# Altium PCB CU-ON-OFF-V2-08-11-18.PcbDoc (part 6 of 14) (continued)
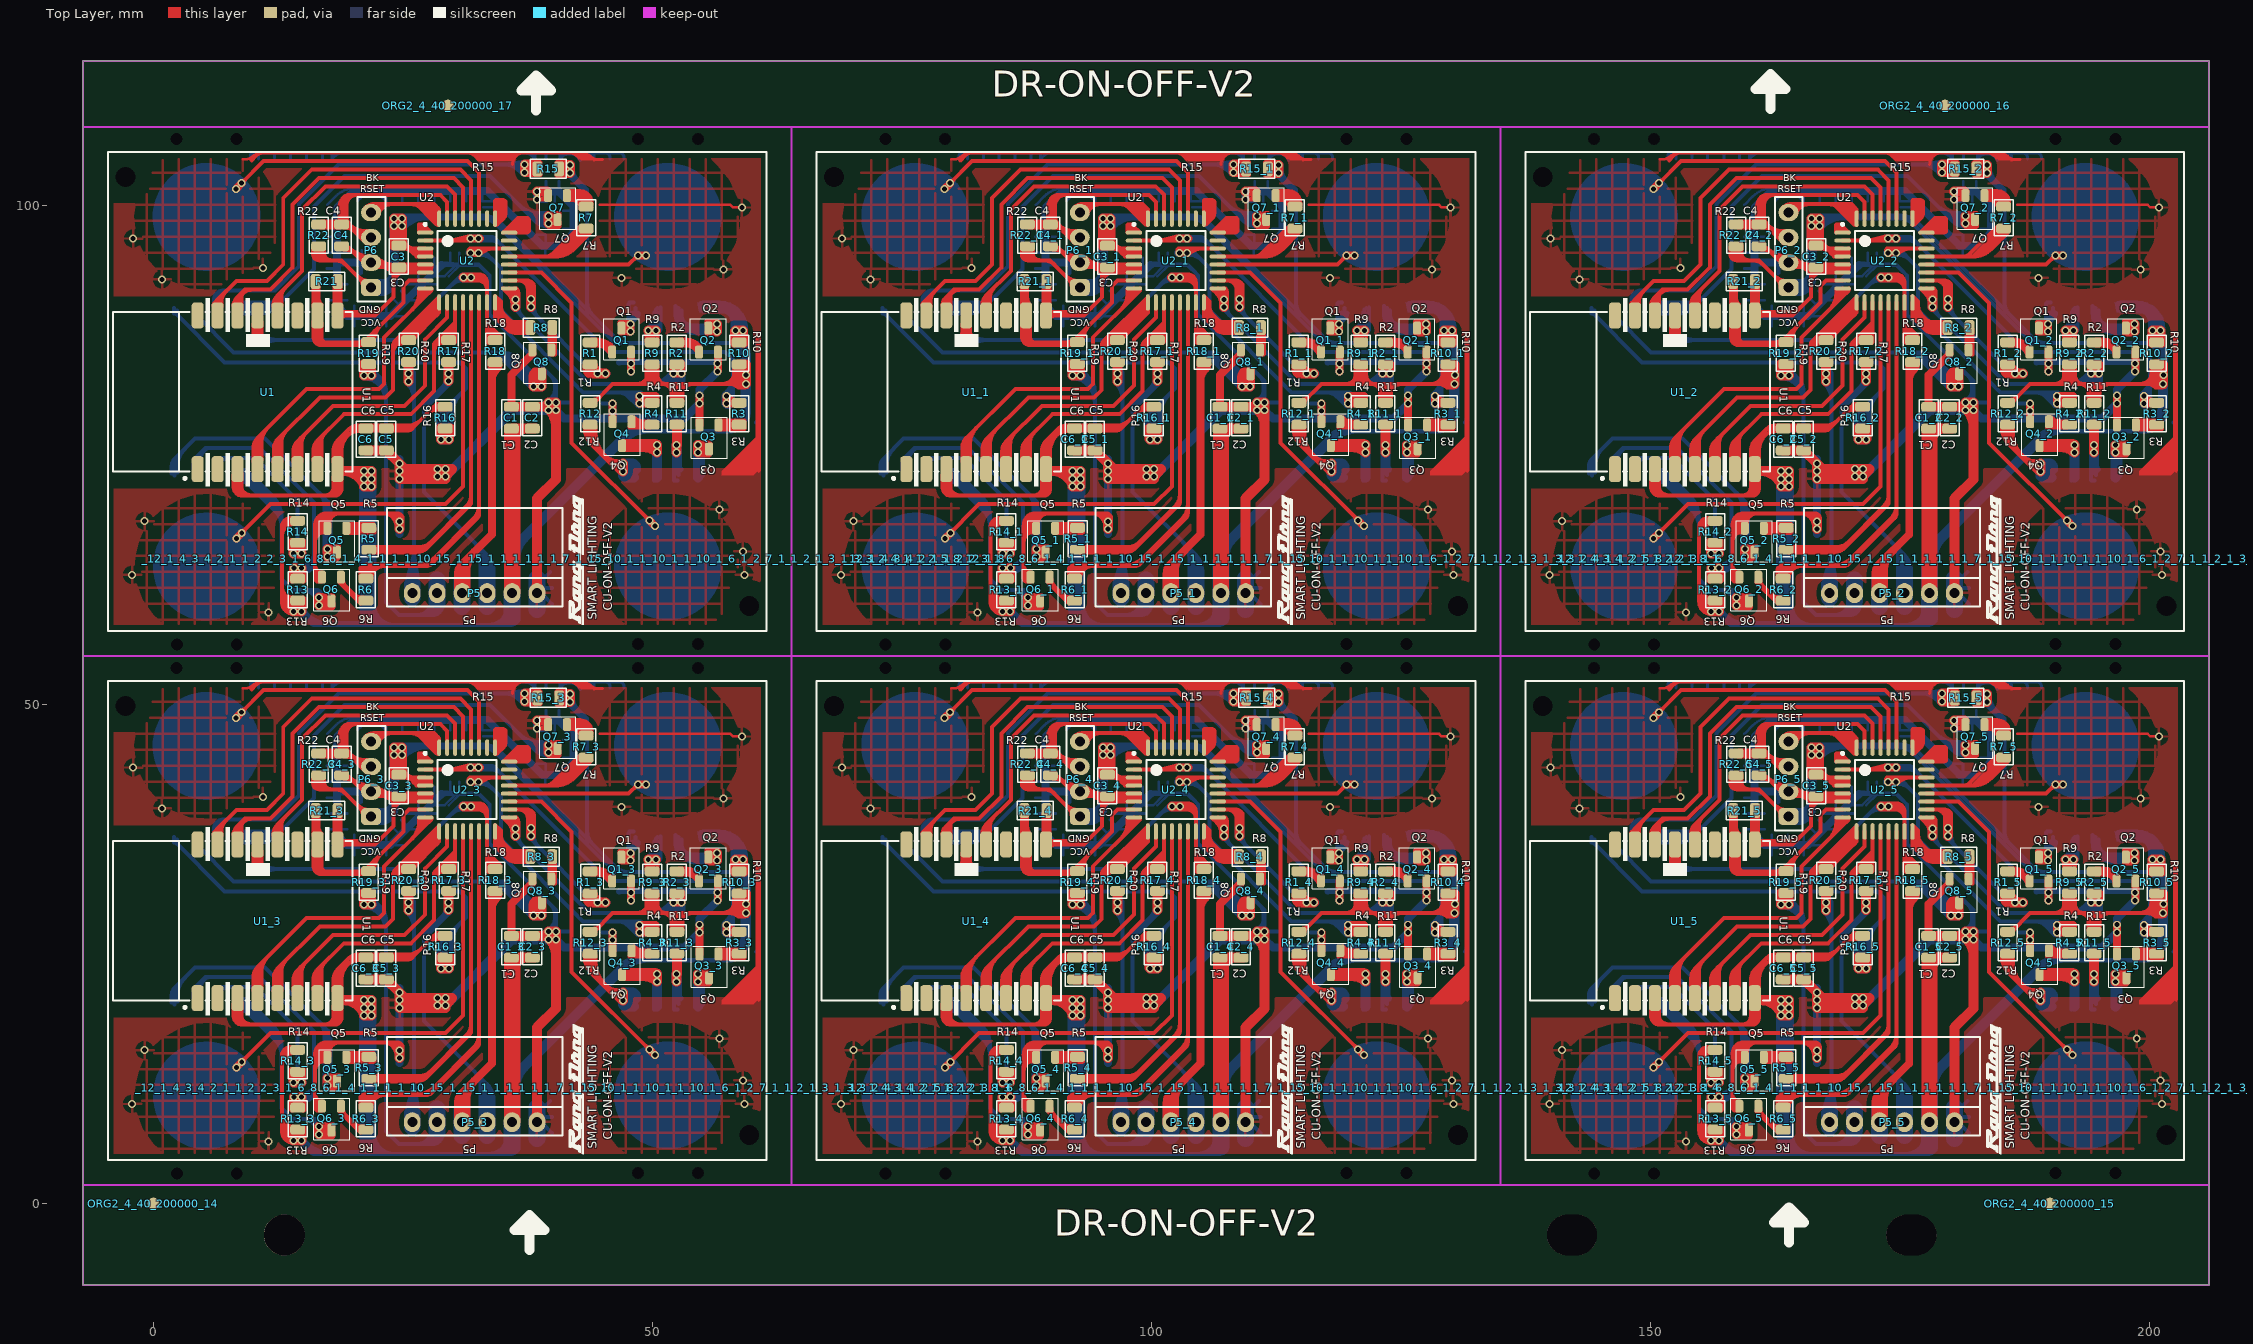
[diagram p0: Top Layer view]
## Nets (pads, with @x,y where several pads share a name; then routed paths per layer and width w, separated by ;. In a path a pad name is that pad's centre, name@x,y a point inside that pad or via, vN(x,y) a via of type N, cw(c..) or ccw(c..) an arc to the next point about the centre after c; other vN are vias at no path point) (continued)
157.116,65.206 cw(c157.066,65.206) v1@157.066,65.156 ; 156.991,7.707 cw(c156.991,7.557) 157.141,7.557 157.141,6.407 cw(c157.066,6.407) v1@157.066,6.332 ; 156.991,9.307 ccw(c156.991,9.457) 157.141,9.457 v1@157.141,10.682 ; 156.991,60.706 cw(c156.991,60.556) 157.141,60.556 157.141,59.406 cw(c157.066,59.406) v1@157.066,59.331 ; 156.991,62.306 ccw(c156.991,62.456) 157.141,62.456 v1@157.141,63.681 ; 158.016,42.832 158.016,42.069 ccw(c158.528,42.069) 158.166,41.707 ccw(c158.649,42.19) 158.649,41.507 159.016,41.507 ; 158.016,95.831 158.016,95.068 ccw(c158.528,95.068) 158.166,94.706 ccw(c158.649,95.189) 158.649,94.506 159.016,94.506 ; 158.041,34.332 158.041,33.836 ccw(c158.894,33.836) 158.291,33.232 ccw(c158.774,33.715) 158.774,33.032 158.891,33.032 ; 158.041,35.357 158.041,34.2 ccw(c158.809,34.2) 158.266,33.657 ; 158.041,36.882 158.041,38.839 cw(c158.809,38.839) 158.266,39.382 ; 158.041,87.331 158.041,86.835 ccw(c158.894,86.835) 158.291,86.231 ccw(c158.774,86.714) 158.774,86.031 158.891,86.031 ; 158.041,88.356 158.041,87.199 ccw(c158.809,87.199) 158.266,86.656 ; 158.041,89.881 158.041,91.838 cw(c158.809,91.838) 158.266,92.381 ; 158.054,38.92 cw(c157.542,38.408) 158.266,38.408 cw(c158.99,38.408) 158.478,38.92 ; 158.054,91.919 cw(c157.542,91.407) 158.266,91.407 cw(c158.99,91.407) 158.478,91.919 ; 158.066,42.532 158.591,42.532 158.591,41.932 159.016,41.507 ; 158.066,95.531 158.591,95.531 158.591,94.931 159.016,94.506 ; 158.158,21.565 ccw(c157.475,22.248) 158.441,22.248 ccw(c159.407,22.248) 158.724,21.565 ; 158.158,74.564 ccw(c157.475,75.247) 158.441,75.247 ccw(c159.407,75.247) 158.724,74.564 ; 158.191,11.182 158.191,10.975 ccw(c158.959,10.975) 158.416,10.432 158.418,10.43 ccw(c159.016,11.027) 159.016,10.182 ; 158.191,64.181 158.191,63.974 ccw(c158.959,63.974) 158.416,63.431 158.418,63.428 ccw(c159.016,64.026) 159.016,63.181 ; 158.266,33.894 cw(c159.829,33.894) 158.724,34.999 ; 158.266,38.07 ccw(c159.829,38.07) 158.724,36.965 ; 158.266,38.732 158.266,33.657 ; 158.266,86.893 cw(c159.829,86.893) 158.724,87.998 ; 158.266,91.069 ccw(c159.829,91.069) 158.724,89.964 ; 158.266,91.731 158.266,86.656 ; v1@158.456,7.041 cw(c159.068,6.608) 159.068,7.357 ; v1@158.456,60.04 cw(c159.068,59.607) 159.068,60.356 ; 158.466,10.182 158.466,9.342 cw(c158.451,9.342) 158.462,9.332 ; 158.466,45.107 160.866,45.107 160.866,47.282 161.636,48.052 ; 158.466,63.181 158.466,62.341 cw(c158.451,62.341) 158.462,62.331 ; 158.466,98.106 160.866,98.106 160.866,100.281 161.636,101.051 ; v1@158.471,7.566 ccw(c158.941,7.99) 158.941,7.357 ; v1@158.471,60.565 ccw(c158.941,60.989) 158.941,60.356 ; 158.541,39.357 158.541,37.781 ccw(c159.565,37.781) 158.841,37.057 ; 158.541,92.356 158.541,90.78 ccw(c159.565,90.78) 158.841,90.056 ; 158.566,34.807 158.566,33.946 ccw(c158.781,33.946) 158.629,33.794 cw(c158.117,33.282) 158.841,33.282 ; 158.566,87.806 158.566,86.945 ccw(c158.781,86.945) 158.629,86.793 cw(c158.117,86.281) 158.841,86.281 ; 158.591,42.122 ccw(c157.781,42.122) 158.354,42.695 158.354,41.894 cw(c158.329,41.894) 158.346,41.876 ccw(c158.816,42.346) 158.816,41.682 ; 158.591,42.243 cw(c159.23,42.243) 158.778,42.695 ccw(c160.046,42.695) 159.149,41.799 159.178,41.77 cw(c158.964,41.557) 159.266,41.557 ; 158.591,95.121 ccw(c157.781,95.121) 158.354,95.694 158.354,94.893 cw(c158.329,94.893) 158.346,94.875 ccw(c158.816,95.345) 158.816,94.681 ; 158.591,95.242 cw(c159.23,95.242) 158.778,95.694 ccw(c160.046,95.694) 159.149,94.798 159.178,94.769 cw(c158.964,94.556) 159.266,94.556 ; 158.603,14.419 cw(c159.187,13.835) 159.522,14.59 ; 158.603,67.418 cw(c159.187,66.834) 159.522,67.589 ; v1@158.616,7.907 ccw(c158.616,7.957) 158.666,7.957 cw(c158.691,7.957) 158.691,7.982 159.891,7.982 cw(c159.891,7.832) 160.041,7.832 ; v1@158.616,60.906 ccw(c158.616,60.956) 158.666,60.956 cw(c158.691,60.956) 158.691,60.981 159.891,60.981 cw(c159.891,60.831) 160.041,60.831 ; v1@158.619,7.5 cw(c158.619,7.017) 158.961,7.359 cw(c159.302,7.7) v1@158.819,7.7 ; v1(158.619,7.7) 158.962,7.357 159.841,7.357 ; v1@158.619,60.499 cw(c158.619,60.016) 158.961,60.358 cw(c159.302,60.699) v1@158.819,60.699 ; v1(158.619,60.699) 158.962,60.356 159.841,60.356 ; v1@158.641,6.632 159.866,6.632 ccw(c159.866,6.807) 160.041,6.807 160.041,7.057 ccw(c159.966,7.057) 159.966,7.132 ; v1@158.641,59.631 159.866,59.631 ccw(c159.866,59.806) 160.041,59.806 160.041,60.056 ccw(c159.966,60.056) 159.966,60.131 ; v1@158.651,7.171 ccw(c158.389,7.561) v1@158.791,7.803 ; v1@158.651,60.17 ccw(c158.389,60.56) v1@158.791,60.802 ; 158.691,20.582 158.441,20.832 158.441,23.432 ; 158.691,73.581 158.441,73.831 158.441,76.431 ; 158.741,44.807 160.71,44.807 ; 158.741,97.806 160.71,97.806 ; v1@158.768,7.834 ccw(c159.841,8.802) 159.841,7.357 ; v1@158.768,60.833 ccw(c159.841,61.801) 159.841,60.356 ; v1@158.783,6.81 cw(c159.841,6.061) 159.841,7.357 ; v1@158.783,59.809 cw(c159.841,59.06) 159.841,60.356 ; 158.841,21.232 158.841,23.372 cw(c159.951,23.372) 159.166,24.157 ; 158.841,35.207 158.841,33.774 ccw(c159.366,33.774) 158.995,33.403 ; 158.841,74.231 158.841,76.371 cw(c159.951,76.371) 159.166,77.156 ; 158.841,88.206 158.841,86.773 ccw(c159.366,86.773) 158.995,86.402 ; 158.866,9.332 158.462,9.332 ; 158.866,62.331 158.462,62.331 ; 158.874,10.206 cw(c158.803,11.069) 158.191,10.457 ; 158.874,63.205 cw(c158.803,64.068) 158.191,63.456 ; 158.891,9.757 158.191,10.457 ; 158.891,23.882 ccw(c160.943,21.83) 158.041,21.83 158.041,21.457 158.041,22.466 cw(c159.407,22.466) 158.441,23.432 ; 158.891,62.756 158.191,63.456 ; 158.891,76.881 ccw(c160.943,74.829) 158.041,74.829 158.041,74.456 158.041,75.465 cw(c159.407,75.465) 158.441,76.431 ; v1@158.941,7.757 159.841,7.757 ; v1@158.941,60.756 159.841,60.756 ; 159.028,44.895 cw(c159.54,44.383) 159.54,45.107 cw(c159.54,45.831) 159.028,45.319 ; 159.028,97.894 cw(c159.54,97.382) 159.54,98.106 cw(c159.54,98.83) 159.028,98.318 ; 159.116,43.007 159.116,42.155 ccw(c159.713,42.155) 159.291,41.732 ccw(c159.834,42.275) 159.834,41.507 ; 159.116,96.006 159.116,95.153 ccw(c159.713,95.153) 159.291,94.731 ccw(c159.834,95.274) 159.834,94.506 ; 159.191,17.932 ccw(c159.191,18.837) 159.831,18.197 ccw(c159.324,18.704) 160.041,18.704 160.041,19.807 ; 159.191,70.931 ccw(c159.191,71.836) 159.831,71.196 ccw(c159.324,71.703) 160.041,71.703 160.041,72.806 ; 159.316,6.632 159.316,6.832 cw(c159.699,6.832) 159.699,7.216 ccw(c159.358,6.874) 159.358,7.357 ccw(c159.358,7.84) 159.699,7.498 ; 159.316,59.631 159.316,59.831 cw(c159.699,59.831) 159.699,60.215 ccw(c159.358,59.873) 159.358,60.356 ccw(c159.358,60.839) 159.699,60.497 ; v1@159.466,11.557 159.466,11.532 160.266,11.532 ccw(c160.266,11.857) 160.591,11.857 ; v1@159.466,12.907 160.591,12.907 160.591,12.507 ; 159.466,15.107 158.913,15.107 ; v1@159.466,64.556 159.466,64.531 160.266,64.531 ccw(c160.266,64.856) 160.591,64.856 ; v1@159.466,65.906 160.591,65.906 160.591,65.506 ; 159.466,68.106 158.913,68.106 ; v1@159.47,12.475 159.627,12.632 160.391,12.632 ; v1@159.47,65.474 159.627,65.631 160.391,65.631 ; v1@159.611,12.459 cw(c160.03,12.04) 160.03,12.632 ; v1@159.611,12.741 ccw(c159.876,13.006) 159.876,12.632 ; v1@159.611,65.458 cw(c160.03,65.039) 160.03,65.631 ; v1@159.611,65.74 ccw(c159.876,66.005) 159.876,65.631 ; v1@159.613,12.46 cw(c159.851,12.226) 159.937,12.549 ; v1@159.613,65.459 cw(c159.851,65.225) 159.937,65.548 ; 159.616,14.807 159.616,15.616 cw(c159.957,15.616) 159.716,15.857 cw(c160.44,15.133) 160.44,16.157 160.991,16.157 ; 159.616,67.806 159.616,68.615 cw(c159.957,68.615) 159.716,68.856 cw(c160.44,68.132) 160.44,69.156 160.991,69.156 ; v1@159.627,12.632 cw(c159.627,11.772) 160.247,12.368 ; v1@159.627,65.631 cw(c159.627,64.771) 160.247,65.367 ; 159.641,14.807 159.641,15.193 cw(c160.58,15.193) 159.916,15.857 cw(c160.64,15.133) 160.64,16.157 161.391,16.157 ; 159.641,67.806 159.641,68.192 cw(c160.58,68.192) 159.916,68.856 cw(c160.64,68.132) 160.64,69.156 161.391,69.156 ; 159.891,33.032 cw(c159.891,34.299) 158.995,33.403 ; 159.891,86.031 cw(c159.891,87.298) 158.995,86.402 ; 159.991,11.557 ccw(c159.991,11.596) 160.03,11.596 ; 159.991,64.556 ccw(c159.991,64.595) 160.03,64.595 ; 160.041,21.307 160.041,22.406 cw(c161.492,22.406) 160.466,23.432 ; 160.041,74.306 160.041,75.405 cw(c161.492,75.405) 160.466,76.431 ; 160.158,19.599 cw(c159.415,18.856) 160.466,18.856 ; 160.158,21.565 ccw(c159.415,22.308) 160.466,22.308 ; 160.158,72.598 cw(c159.415,71.855) 160.466,71.855 ; 160.158,74.564 ccw(c159.415,75.307) 160.466,75.307 ; 160.166,39.032 160.166,36.984 cw(c160.139,36.984) 160.158,36.965 ccw(c159.415,37.708) 160.466,37.708 ; 160.166,92.031 160.166,89.983 cw(c160.139,89.983) 160.158,89.964 ccw(c159.415,90.707) 160.466,90.707 ; 160.241,19.732 ccw(c160.262,19.711) 160.232,19.711 160.232,18.073 cw(c159.891,18.415) 159.891,17.932 ; 160.241,23.007 160.241,20.992 ccw(c160.326,20.992) 160.266,20.932 ; 160.241,72.731 ccw(c160.262,72.71) 160.232,72.71 160.232,71.072 cw(c159.891,71.414) 159.891,70.931 ; 160.241,76.006 160.241,73.991 ccw(c160.326,73.991) 160.266,73.931 ; 160.254,38.92 cw(c159.742,38.408) 160.466,38.408 cw(c161.19,38.408) 160.678,38.92 ; 160.254,91.919 cw(c159.742,91.407) 160.466,91.407 cw(c161.19,91.407) 160.678,91.919 ; 160.404,44.895 ccw(c159.892,44.383) 159.892,45.107 ccw(c159.892,45.831) 160.404,45.319 ; 160.404,97.894 ccw(c159.892,97.382) 159.892,98.106 ccw(c159.892,98.83) 160.404,98.318 ; 160.441,35.982 160.943,36.349 163.988,36.349 ccw(c163.988,37.785) 164.991,36.757 ccw(c163.988,37.785) 165.003,36.77 ; 160.441,88.981 160.943,89.348 163.988,89.348 ccw(c163.988,90.784) 164.991,89.756 ccw(c163.988,90.784) 165.003,89.769 ; 160.466,18.977 cw(c161.346,18.977) 160.724,19.599 ; 160.466,37.587 ccw(c161.346,37.587) 160.724,36.965 ccw(c160.622,37.067) 160.766,37.067 160.766,39.182 ; 160.466,39.382 160.466,35.982 164.216,35.982 165.003,36.77 ; 160.466,71.976 cw(c161.346,71.976) 160.724,72.598 ; 160.466,90.586 ccw(c161.346,90.586) 160.724,89.964 ccw(c160.622,90.066) 160.766,90.066 160.766,92.181 ; 160.466,92.381 160.466,88.981 164.216,88.981 165.003,89.769 ; 160.541,20.382 160.441,20.582 160.466,20.582 ; 160.541,73.381 160.441,73.581 160.466,73.581 ; 160.591,9.332 ccw(c160.712,9.332) 160.626,9.247 162.741,7.132 ; 160.591,62.331 ccw(c160.712,62.331) 160.626,62.246 162.741,60.131 ; 160.666,45.382 158.926,45.382 cw(c158.926,45.467) 158.866,45.407 ccw(c159.047,45.588) 159.047,45.332 161.066,45.332 ; 160.666,98.381 158.926,98.381 cw(c158.926,98.466) 158.866,98.406 ccw(c159.047,98.587) 159.047,98.331 161.066,98.331 ; 160.724,20.299 cw(c161.407,19.616) 161.407,20.582 cw(c161.407,21.548) 160.724,20.865 ; 160.724,21.565 cw(c161.346,22.187) 160.466,22.187 cw(c162.505,22.187) 161.063,23.629 161.178,23.744 ccw(c160.964,23.957) 161.266,23.957 ; 160.724,35.699 cw(c161.407,35.016) 161.407,35.982 cw(c161.407,36.948) 160.724,36.265 ; 160.724,73.298 cw(c161.407,72.615) 161.407,73.581 cw(c161.407,74.547) 160.724,73.864 ; 160.724,74.564 cw(c161.346,75.186) 160.466,75.186 cw(c162.505,75.186) 161.063,76.628 161.178,76.743 ccw(c160.964,76.956) 161.266,76.956 ; 160.724,88.698 cw(c161.407,88.015) 161.407,88.981 cw(c161.407,89.947) 160.724,89.264 ; 160.791,9.757 160.791,9.332 162.716,7.407 163.291,7.407 ; 160.791,62.756 160.791,62.331 162.716,60.406 163.291,60.406 ; 160.841,21.232 160.841,22.342 cw(c163.231,22.342) 161.541,24.032 cw(c162.386,23.187) 162.386,24.382 163.341,24.382 ; 160.841,21.482 160.841,18.615 cw(c160.158,18.615) 160.641,18.132 cw(c160.158,18.615) 160.158,17.932 159.891,17.932 ; 160.841,74.231 160.841,75.341 cw(c163.231,75.341) 161.541,77.031 cw(c162.386,76.186) 162.386,77.381 163.341,77.381 ; 160.841,74.481 160.841,71.614 cw(c160.158,71.614) 160.641,71.131 cw(c160.158,71.614) 160.158,70.931 159.891,70.931 ; 160.991,9.507 ccw(c161.896,9.507) 161.256,8.867 ; 160.991,20.082 161.073,20.082 cw(c161.073,18.29) 162.341,19.557 162.543,19.355 cw(c161.946,18.757) v1@162.791,18.757 ; 160.991,62.506 ccw(c161.896,62.506) 161.256,61.866 ; 160.991,73.081 161.073,73.081 cw(c161.073,71.289) 162.341,72.556 162.543,72.353 cw(c161.946,71.756) v1@162.791,71.756 ; 161.116,42.607 cw(c161.116,41.038) 162.226,42.147 ; 161.116,44.807 cw(c161.116,43.298) 162.183,44.365 ; 161.116,95.606 cw(c161.116,94.037) 162.226,95.146 ; 161.116,97.806 cw(c161.116,96.297) 162.183,97.364 ; 161.141,42.907 161.466,42.907 163.691,40.682 163.816,41.282 ; 161.141,95.906 161.466,95.906 163.691,93.681 163.816,94.281 ; 161.241,47.632 ccw(c161.634,47.239) 161.078,47.239 161.078,45.319 cw(c161.59,45.831) 160.866,45.831 cw(c160.142,45.831) 160.654,45.319 160.654,46.791 cw(c162.113,46.791) 161.081,47.822 cw(c161.636,47.267) 161.636,48.052 ; 161.241,100.631 ccw(c161.634,100.238) 161.078,100.238 161.078,98.318 cw(c161.59,98.83) 160.866,98.83 cw(c160.142,98.83) 160.654,98.318 160.654,99.79 cw(c162.113,99.79) 161.081,100.821 cw(c161.636,100.266) 161.636,101.051 ; 161.266,41.082 ccw(c160.24,40.056) 160.24,41.507 159.834,41.507 ; 161.266,45.107 161.441,45.107 ; 161.266,94.081 ccw(c160.24,93.055) 160.24,94.506 159.834,94.506 ; 161.266,98.106 161.441,98.106 ; 161.341,14.657 163.891,14.657 ; 161.341,14.832 163.241,14.832 ; 161.341,15.107 163.935,15.107 cw(c163.935,14.851) 164.116,15.032 ; 161.341,45.357 161.341,46.962 ; 161.341,67.656 163.891,67.656 ; 161.341,67.831 163.241,67.831 ; 161.341,68.106 163.935,68.106 cw(c163.935,67.85) 164.116,68.031 ; 161.341,98.356 161.341,99.961 ; 161.482,15.048 ccw(c162.005,15.571) 162.005,14.832 ; 161.482,68.047 ccw(c162.005,68.57) 162.005,67.831 ; 161.575,42.798 ccw(c163.666,44.889) 163.666,41.932 ; 161.575,95.797 ccw(c163.666,97.888) 163.666,94.931 ; 161.928,33.032 ccw(c161.928,34.695) 163.104,33.519 ; 161.928,86.031 ccw(c161.928,87.694) 163.104,86.518 ; 161.974,8.149 ccw(c163.041,9.216) 163.041,7.707 ; 161.974,61.148 ccw(c163.041,62.215) 163.041,60.706 ; 161.993,44.555 ccw(c163.323,45.885) 163.626,44.029 ; 161.993,97.554 ccw(c163.323,98.884) 163.626,97.028 ; 162.125,20.582 cw(c162.125,19.416) v1@162.949,20.241 ; 162.125,73.581 cw(c162.125,72.415) v1@162.949,73.24 ; 162.136,24.582 ccw(c162.136,25.562) 162.829,24.869 ; 162.136,77.581 ccw(c162.136,78.561) 162.829,77.868 ; 162.166,20.107 162.67,19.603 cw(c162.499,19.432) v1@162.741,19.432 ; 162.166,73.106 162.67,72.602 cw(c162.499,72.431) v1@162.741,72.431 ; 162.258,42.115 ccw(c163.666,43.524) 163.666,41.532 ; 162.258,95.114 ccw(c163.666,96.523) 163.666,94.531 ; 162.315,14.832 cw(c162.315,13.681) 163.129,14.495 ; 162.315,67.831 cw(c162.315,66.68) 163.129,67.494 ; 162.386,39.962 ccw(c163.666,41.243) 163.666,39.432 ; 162.386,92.961 ccw(c163.666,94.242) 163.666,92.431 ; 162.498,24.582 cw(c162.498,24.114) 162.829,24.445 167.429,24.445 ccw(c167.429,25.169) 167.941,24.657 ; 162.498,77.581 cw(c162.498,77.113) 162.829,77.444 167.429,77.444 ccw(c167.429,78.168) 167.941,77.656 ; 162.545,44.003 ccw(c163.478,44.936) 163.69,43.634 ; 162.545,97.002 ccw(c163.478,97.935) 163.69,96.633 ; 162.616,33.032 163.791,33.032 ; 162.616,86.031 163.791,86.031 ; 162.627,39.721 cw(c161.688,38.782) 163.016,38.782 ; 162.627,92.72 cw(c161.688,91.781) 163.016,91.781 ; 162.741,9.557 162.741,10.216 ; 162.741,62.556 162.741,63.215 ; 162.893,33.032 ccw(c162.893,33.729) 163.387,33.236 ; 162.893,86.031 ccw(c162.893,86.728) 163.387,86.235 ; v1@162.9,20.582 cw(c162.9,19.416) v1@163.724,20.241 ; v1@162.9,73.581 cw(c162.9,72.415) v1@163.724,73.24 ; v1@162.973,30.144 ccw(c162.128,31.307) 163.566,31.307 163.566,30.157 v1@163.741,29.982 ; v1@162.973,83.143 ccw(c162.128,84.306) 163.566,84.306 163.566,83.156 v1@163.741,82.981 ; 163.049,43.578 ccw(c162.766,43.484) 162.766,43.782 ; 163.049,43.986 cw(c162.766,44.08) 162.766,43.782 ; 163.049,96.577 ccw(c162.766,96.483) 162.766,96.781 ; 163.049,96.985 cw(c162.766,97.079) 162.766,96.781 ; 163.103,39.245 160.841,41.507 ; 163.103,92.243 160.841,94.506 ; v1@163.128,29.71 cw(c163.496,29.44) v1@163.753,29.817 ; v1@163.128,82.709 cw(c163.496,82.439) v1@163.753,82.816 ; 163.143,33.062 ccw(c162.985,32.838) 162.791,33.032 ; 163.143,86.061 ccw(c162.985,85.837) 162.791,86.031 ; v1@163.209,29.82 ccw(c162.699,30.522) 163.566,30.522 ; v1@163.209,82.819 ccw(c162.699,83.521) 163.566,83.521 ; 163.216,46.757 cw(c164.121,45.852) 164.121,47.132 165.966,47.132 ; 163.216,48.057 162.294,48.057 ccw(c162.294,47.203) 161.691,47.807 ccw(c162.536,46.962) 161.341,46.962 ; 163.216,99.756 cw(c164.121,98.851) 164.121,100.131 165.966,100.131 ; 163.216,101.056 162.294,101.056 ccw(c162.294,100.202) 161.691,100.806 ccw(c162.536,99.961) 161.341,99.961 ; v1@163.278,20.312 cw(c163.666,20.169) v1@163.666,20.582 ; v1@163.278,73.311 cw(c163.666,73.168) v1@163.666,73.581 ; 163.291,9.607 164.566,10.882 169.341,10.882 ; 163.291,62.606 164.566,63.881 169.341,63.881 ; 163.316,33.307 cw(c163.919,33.307) 163.493,33.734 ; 163.316,86.306 cw(c163.919,86.306) 163.493,86.733 ; 163.341,14.407 162.074,14.407 ccw(c162.074,13.724) 161.591,14.207 164.02,14.207 ccw(c164.02,14.378) 164.141,14.257 164.141,14.632 ; 163.341,33.582 163.256,33.582 ccw(c163.256,33.367) 163.104,33.519 ; 163.341,67.406 162.074,67.406 ccw(c162.074,66.723) 161.591,67.206 164.02,67.206 ccw(c164.02,67.377) 164.141,67.256 164.141,67.631 ; 163.341,86.581 163.256,86.581 ccw(c163.256,86.366) 163.104,86.518 ; 163.354,30.895 cw(c162.842,30.383) 163.566,30.383 cw(c164.29,30.383) 163.778,30.895 ; 163.354,83.894 cw(c162.842,83.382) 163.566,83.382 cw(c164.29,83.382) 163.778,83.894 ; v1@163.372,30.043 cw(c163.729,29.782) v1@163.979,30.147 ; v1@163.372,83.042 cw(c163.729,82.781) v1@163.979,83.146 ; 163.516,43.182 cw(c163.516,43.544) 163.26,43.288 162.766,43.782 ; 163.516,96.181 cw(c163.516,96.543) 163.26,96.287 162.766,96.781 ; 163.566,31.189 ccw(c165.073,31.189) v1@164.007,30.123 ; 163.566,84.188 ccw(c165.073,84.188) v1@164.007,83.122 ; 163.577,46.671 cw(c164.69,45.558) 164.69,47.132 ; 163.577,99.67 cw(c164.69,98.557) 164.69,100.131 ; 163.591,46.682 164.041,47.132 170.116,47.132 170.641,46.607 170.641,45.682 ; 163.591,99.681 164.041,100.131 170.116,100.131 170.641,99.606 170.641,98.681 ; 163.616,12.507 169.016,12.507 173.841,17.332 ; 163.616,65.506 169.016,65.506 173.841,70.331 ; 163.716,33.307 cw(c165.285,33.307) 164.175,34.417 ; 163.716,86.306 cw(c165.285,86.306) 164.175,87.416 ; 163.741,41.057 166.116,41.057 166.591,40.782 ; 163.741,94.056 166.116,94.056 166.591,93.781 ; 163.753,22.245 cw(c164.084,21.914) 164.084,22.382 ; 163.753,22.669 ccw(c164.446,23.362) 164.446,22.382 ; 163.753,24.445 cw(c164.084,24.114) 164.084,24.582 ; 163.753,24.869 ccw(c164.446,25.562) 164.446,24.582 ; 163.753,75.244 cw(c164.084,74.913) 164.084,75.381 ; 163.753,75.668 ccw(c164.446,76.361) 164.446,75.381 ; 163.753,77.444 cw(c164.084,77.113) 164.084,77.581 ; 163.753,77.868 ccw(c164.446,78.561) 164.446,77.581 ; 163.816,43.782 162.766,43.782 ; 163.816,96.781 162.766,96.781 ; 163.841,9.607 cw(c165.169,9.607) 164.23,10.546 ; 163.841,62.606 cw(c165.169,62.606) 164.23,63.545 ; 163.86,46.388 cw(c165.656,44.592) 165.656,47.132 ; 163.86,99.387 cw(c165.656,97.591) 165.656,100.131 ; v1(163.866,20.382) v1@163.666,20.582 ; v1(163.866,73.381) v1@163.666,73.581 ; 164.053,12.295 cw(c164.565,11.783) 164.565,12.507 cw(c164.565,13.231) 164.053,12.719 ; 164.053,65.294 cw(c164.565,64.782) 164.565,65.506 cw(c164.565,66.23) 164.053,65.718 ; 164.116,33.307 cw(c166.651,33.307) 164.858,35.099 ; 164.116,86.306 cw(c166.651,86.306) 164.858,88.098 ; 164.141,10.457 cw(c165.167,9.431) 165.167,10.882 165.941,10.882 ; 164.141,63.456 cw(c165.167,62.43) 165.167,63.881 165.941,63.881 ; 164.143,41.459 ccw(c165.113,42.429) 165.113,41.057 ; 164.143,94.458 ccw(c165.113,95.428) 165.113,94.056 ; 164.186,22.382 ccw(c164.186,23.362) 164.879,22.669 ; 164.186,24.582 ccw(c164.186,25.562) 164.879,24.869 ; 164.186,75.381 ccw(c164.186,76.361) 164.879,75.668 ; 164.186,77.581 ccw(c164.186,78.561) 164.879,77.868 ; 164.424,40.833 cw(c164.703,39.194) 166.131,40.046 ; 164.424,93.832 cw(c164.703,92.193) 166.131,93.045 ; 164.426,40.822 cw(c164.992,40.256) 164.992,41.057 ; 164.426,41.742 ccw(c166.078,43.394) 166.078,41.057 ; 164.426,93.821 cw(c164.992,93.255) 164.992,94.056 ; 164.426,94.741 ccw(c166.078,96.393) 166.078,94.056 ; 164.548,22.382 cw(c164.548,21.914) 164.879,22.245 ; 164.548,24.582 cw(c164.548,24.114) 164.879,24.445 ; 164.548,75.381 cw(c164.548,74.913) 164.879,75.244 ; 164.548,77.581 cw(c164.548,77.113) 164.879,77.444 ; 164.591,46.107 cw(c165.255,46.107) 164.785,46.576 165.04,46.832 cw(c165.766,46.106) 165.766,47.132 ; 164.591,99.106 cw(c165.255,99.106) 164.785,99.575 165.04,99.83 cw(c165.766,99.105) 165.766,100.131 ; 164.741,10.882 163.867,10.882 ccw(c163.867,9.431) 162.841,10.457 ccw(c163.082,10.216) 162.741,10.216 ; 164.741,63.881 163.867,63.881 ccw(c163.867,62.43) 162.841,63.456 ccw(c163.082,63.215) 162.741,63.215 ; 164.953,41.057 cw(c164.953,39.394) 166.129,40.57 ; 164.953,94.056 cw(c164.953,92.393) 166.129,93.569 ; 165.016,16.157 165.061,16.157 cw(c165.061,14.877) 165.966,15.782 cw(c165,14.816) v1@166.366,14.816 ; 165.016,69.156 165.061,69.156 cw(c165.061,67.876) 165.966,68.781 cw(c165,67.815) v1@166.366,67.815 ; 165.341,24.582 161.616,24.582 ; 165.341,24.657 167.941,24.657 ; 165.341,77.581 161.616,77.581 ; 165.341,77.656 167.941,77.656 ; 165.803,24.445 cw(c166.315,23.933) 166.315,24.657 cw(c166.315,25.381) 165.803,24.869 ; 165.803,77.444 cw(c166.315,76.932) 166.315,77.656 cw(c166.315,78.38) 165.803,77.868 ; v1@165.841,44.982 165.841,42.984 ccw(c166.268,42.984) 165.966,42.682 166.741,42.682 ; v1@165.841,97.981 165.841,95.983 ccw(c166.268,95.983) 165.966,95.681 166.741,95.681 ; 165.918,41.057 cw(c165.918,40.359) 166.412,40.853 ; 165.918,94.056 cw(c165.918,93.358) 166.412,93.852 ; v1@165.992,44.784 cw(c165.51,44.302) 166.191,44.302 ; v1@165.992,97.783 cw(c165.51,97.301) 166.191,97.301 ; 166.016,32.207 166.016,32.339 cw(c166.784,32.339) 166.241,32.882 cw(c167.026,32.097) 167.026,33.207 167.191,33.207 ; 166.016,85.206 166.016,85.338 cw(c166.784,85.338) 166.241,85.881 cw(c167.026,85.096) 167.026,86.206 167.191,86.206 ; 166.066,39.394 cw(c167.729,39.394) 166.553,40.57 ; 166.066,40.36 cw(c166.763,40.36) 166.27,40.853 ; 166.066,92.393 cw(c167.729,92.393) 166.553,93.569 ; 166.066,93.359 cw(c166.763,93.359) 166.27,93.852 ; v1(166.133,44.925) 166.133,43.44 166.591,42.982 ; v1(166.133,97.924) 166.133,96.439 166.591,95.981 ; 166.165,16.083 cw(c165.44,15.357) 166.466,15.357 165.666,16.157 ; 166.165,69.082 cw(c165.44,68.356) 166.466,68.356 165.666,69.156 ; 166.191,44.068 ccw(c167.427,44.068) 166.553,43.194 ; v1@166.191,44.925 166.191,43.232 166.741,42.682 ; 166.191,97.067 ccw(c167.427,97.067) 166.553,96.193 ; v1@166.191,97.924 166.191,96.231 166.741,95.681 ; 166.241,40.707 166.616,41.082 169.241,41.082 ; 166.241,93.706 166.616,94.081 169.241,94.081 ; v1@166.524,14.723 ccw(c166.183,15.065) 166.666,15.065 ccw(c167.149,15.065) v1@166.807,14.723 ; v1@166.524,15.216 cw(c166.183,14.874) 166.666,14.874 cw(c167.149,14.874) v1@166.807,15.216 ; v1@166.524,19.748 ccw(c166.183,20.09) 166.666,20.09 ccw(c167.149,20.09) v1@166.807,19.748 ; v1@166.524,20.523 ccw(c166.183,20.865) 166.666,20.865 ccw(c167.149,20.865) 166.807,20.523 ccw(c168.356,22.072) 168.356,19.882 ; v1@166.524,21.016 cw(c166.183,20.674) 166.666,20.674 cw(c167.149,20.674) v1@166.807,21.016 ; v1@166.524,67.722 ccw(c166.183,68.064) 166.666,68.064 ccw(c167.149,68.064) v1@166.807,67.722 ; v1@166.524,68.215 cw(c166.183,67.873) 166.666,67.873 cw(c167.149,67.873) v1@166.807,68.215 ; v1@166.524,72.747 ccw(c166.183,73.089) 166.666,73.089 ccw(c167.149,73.089) v1@166.807,72.747 ; v1@166.524,73.522 ccw(c166.183,73.864) 166.666,73.864 ccw(c167.149,73.864) 166.807,73.522 ccw(c168.356,75.071) 168.356,72.881 ; v1@166.524,74.015 cw(c166.183,73.673) 166.666,73.673 cw(c167.149,73.673) v1@166.807,74.015 ; v1@166.548,15.195 cw(c166.413,15.009) v1@166.635,14.95 ; v1@166.548,20.995 cw(c166.413,20.809) v1@166.635,20.75 ; v1@166.548,68.194 cw(c166.413,68.008) v1@166.635,67.949 ; v1@166.548,73.994 cw(c166.413,73.808) v1@166.635,73.749 ; v1(166.666,15.357) 166.666,15.582 166.091,16.157 ; v1(166.666,19.607) v1@166.666,19.882 ; v1(166.666,20.382) v1@166.891,20.607 ; v1(166.666,68.356) 166.666,68.581 166.091,69.156 ; v1(166.666,72.606) v1@166.666,72.881 ; v1(166.666,73.381) v1@166.891,73.606 ; v1@166.694,20.131 cw(c166.445,19.744) v1@166.836,19.502 ; v1@166.694,73.13 cw(c166.445,72.743) v1@166.836,72.501 ; v1@166.697,14.95 cw(c166.919,15.009) v1@166.784,15.195 ; v1@166.697,20.75 cw(c166.919,20.809) v1@166.784,20.995 ; v1@166.697,67.949 cw(c166.919,68.008) v1@166.784,68.194 ; v1@166.697,73.749 cw(c166.919,73.808) v1@166.784,73.994 ; v1@166.733,19.832 v1@170.391,19.832 ; v1@166.733,72.831 v1@170.391,72.831 ; 166.77,40.853 cw(c167.324,40.299) 167.324,41.082 ; 166.77,42.911 ccw(c167.324,43.465) 167.324,42.682 ; 166.77,93.852 cw(c167.324,93.298) 167.324,94.081 ; 166.77,95.91 ccw(c167.324,96.464) 167.324,95.681 ; v1@166.807,19.466 cw(c167.813,18.46) 167.813,19.882 ; v1@166.807,72.465 cw(c167.813,71.459) 167.813,72.881 ; v1@166.953,15.62 166.416,16.157 ; v1@166.953,68.619 166.416,69.156 ; 166.966,14.857 166.966,15.597 ccw(c166.399,15.597) 166.8,15.998 ccw(c166.416,15.614) 166.416,16.157 ; 166.966,67.856 166.966,68.596 ccw(c166.399,68.596) 166.8,68.997 ccw(c166.416,68.613) 166.416,69.156 ; 167.053,43.194 ccw(c168.289,44.43) 168.289,42.682 ; 167.053,96.193 ccw(c168.289,97.429) 168.289,95.681 ; 167.095,33.696 cw(c166.491,34.184) 166.491,33.407 ; 167.095,86.695 cw(c166.491,87.183) 166.491,86.406 ; v1@167.191,44.932 167.191,43.667 ccw(c168.301,43.667) 167.516,42.882 ; v1@167.191,97.931 167.191,96.666 ccw(c168.301,96.666) 167.516,95.881 ; 167.216,20.607 167.845,19.977 ; 167.216,73.606 167.845,72.976 ; 167.366,31.095 cw(c166.854,30.583) 167.578,30.583 cw(c168.303,30.583) 167.791,31.095 ; 167.366,84.094 cw(c166.854,83.582) 167.578,83.582 cw(c168.303,83.582) 167.791,84.094 ; 167.39,19.882 cw(c167.39,21.106) v1@166.524,20.241 ; 167.39,72.881 cw(c167.39,74.105) v1@166.524,73.24 ; 167.416,10.882 168.28,10.882 ccw(c168.28,13.443) 170.091,11.632 cw(c168.642,13.081) 168.642,11.032 163.54,11.032 ccw(c163.54,10.008) 162.816,10.732 ccw(c162.997,10.551) 162.741,10.551 162.741,10.216 ; 167.416,63.881 168.28,63.881 ccw(c168.28,66.442) 170.091,64.631 cw(c168.642,66.08) 168.642,64.031 163.54,64.031 ccw(c163.54,63.007) 162.816,63.731 ccw(c162.997,63.55) 162.741,63.55 162.741,63.215 ; v1@167.437,29.523 ccw(c167.096,29.865) 167.578,29.865 ccw(c168.061,29.865) v1@167.72,29.523 ; v1@167.437,30.016 cw(c167.096,29.674) 167.578,29.674 cw(c168.061,29.674) v1@167.72,30.016 ; v1@167.437,30.298 ccw(c167.096,30.64) 167.578,30.64 ccw(c168.061,30.64) v1@167.72,30.298 ; v1@167.437,82.522 ccw(c167.096,82.864) 167.578,82.864 ccw(c168.061,82.864) v1@167.72,82.522 ; v1@167.437,83.015 cw(c167.096,82.673) 167.578,82.673 cw(c168.061,82.673) v1@167.72,83.015 ; v1@167.437,83.297 ccw(c167.096,83.639) 167.578,83.639 ccw(c168.061,83.639) v1@167.72,83.297 ; v1@167.461,29.995 cw(c167.326,29.809) v1@167.548,29.75 ; v1@167.461,82.994 cw(c167.326,82.808) v1@167.548,82.749 ; v1@167.578,29.107 167.578,31.307 ; v1@167.578,82.106 167.578,84.306 ; v1@167.609,29.75 cw(c167.831,29.809) v1@167.696,29.995 ; v1@167.609,82.749 cw(c167.831,82.808) v1@167.696,82.994 ; 167.828,33.807 ccw(c167.828,34.682) 168.447,34.063 ; 167.828,86.806 ccw(c167.828,87.681) 168.447,87.062 ; 167.941,36.582 ccw(c166.311,38.212) 168.616,38.212 168.616,38.632 ; 167.941,89.581 ccw(c166.311,91.211) 168.616,91.211 168.616,91.631 ; 168.128,33.507 cw(c168.702,33.507) 168.296,33.912 ; 168.128,86.506 cw(c168.702,86.506) 168.296,86.911 ; 168.29,41.082 ccw(c168.29,39.333) 167.053,40.57 168.211,40.575 ; 168.29,94.081 ccw(c168.29,92.332) 167.053,93.569 168.211,93.574 ; 168.591,44.307 168.591,44.997 cw(c168.676,44.997) 168.616,45.057 cw(c168.676,44.997) 168.676,45.082 168.941,45.082 cw(c168.941,44.841) 169.112,45.011 169.841,44.282 ; 168.591,97.306 168.591,97.996 cw(c168.676,97.996) 168.616,98.056 cw(c168.676,97.996) 168.676,98.081 168.941,98.081 cw(c168.941,97.84) 169.112,98.01 169.841,97.281 ; 168.741,25.457 cw(c167.534,26.664) 167.534,24.957 162.521,24.957 ccw(c162.521,23.677) 161.616,24.582 ; 168.741,78.456 cw(c167.534,79.663) 167.534,77.956 162.521,77.956 ccw(c162.521,76.676) 161.616,77.581